# KiCad board panel.kicad_pcb (continued)
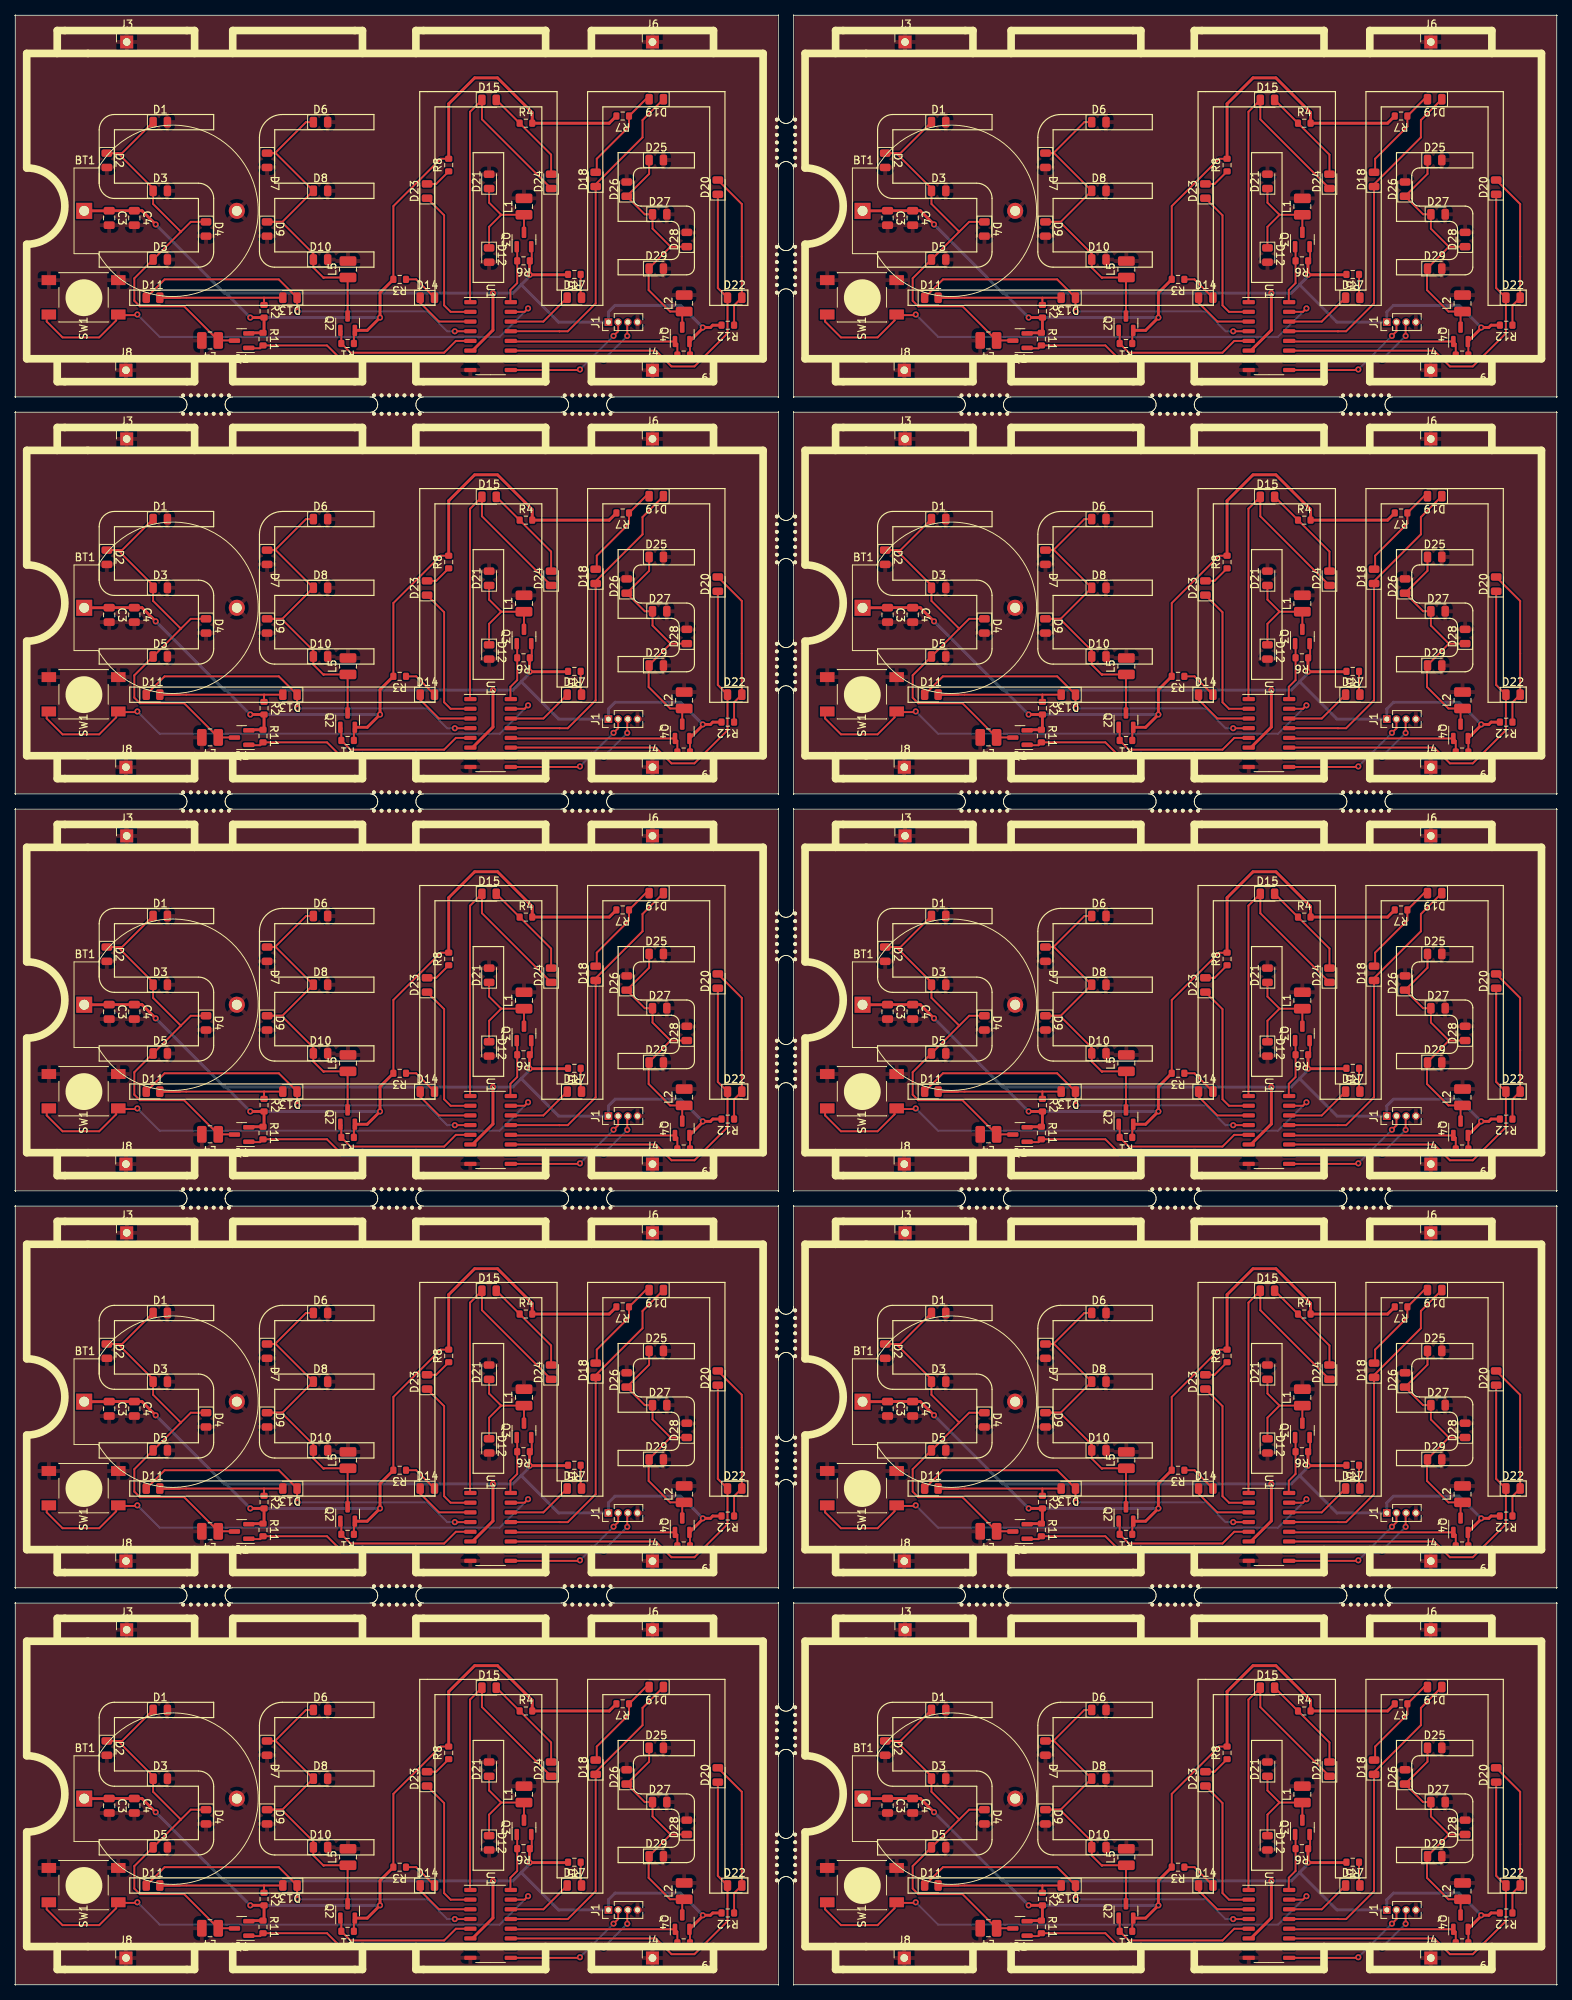
[diagram p0: board, top side]
## Routing (per net, layer and track width the routed paths; a pad name or vN(x,y) marks a point on that pad's centre or on a via; arc(x,y) is an arc through that point) (continued)
  Top w0.25: D10#2.1 141.06,226.76 136.89,230.94 D9#2.1 137,230.94 D8#2.1 136.12,239.94 D7#2.1 136.04,239.94 140.1,244 D6.1
  Top w0.254: D10#2.1 141.06,224.94 142.4,223.6 142.45,223.65 L5#2.1 145.55,223.6 Q2#2.3
Board_1-Net-(D11-A): length 19.7
  Top w0.25: D13#2.2 D11#2.2
  Top w0.254: R2#2.1 134.6,221 ; D11#2.2 123.58,221
Board_1-Net-(D12-K): length 14.4
  Top w0.25: 165.68,231.87 164.09,230.28 D12#2.1 ; 165.68,231.87 164.09,233.45 D21#2.1 ; 165.68,231.87 L1#2.1 Q3#2.3
Board_1-Net-(D14-A): length 4.9
  Top w0.254: R3#2.1 154.54,223.4 D14#2.2 157.04,220.89
Board_1-Net-(D15-A): length 12.7
  Top w0.254: D24#2.2 172.22,239.74 165.04,246.91 D15#2.2
  Top w0.381: 168.09,243.86 168.08,243.86
Board_1-Net-(D17-A): length 3.1
  Top w0.254: R5#2.1 176.09,221.11 D17#2.2
Board_1-Net-(D18-A): length 12.8
  Top w0.254: D19#2.2 184.62,247 R7#2.1 182.43,243.43 178.2,239.2 178.2,237.57 D18#2.2 ; 185.14,247.2 185.17,247.16
Board_1-Net-(D20-A): length 20.7
  Top w0.254: R12#2.1 196.2,219.99 D22#2.2 197.21,233.27 D20#2.2
Board_1-Net-(D23-A): length 3.5
  Top w0.254: D23#2.2 157.16,235.91 R8#2.1
Board_1-Net-(D25-K): length 32.5
  Top w0.25: 185,222 185,224.81 187.87,227.68 ; Q4#2.3 189.4,218.94 L2#2.1 ; 187.87,227.68 D28#2.1 ; 187.87,227.68 185.51,230.05 D27#5.1 184.49,231.92 D26.1
  Top w0.254: 185,222 187.81,219.19 L2#2.1 ; D25#2.1 185.06,237.22 D26.1
Board_1-VCC: length 210.6
  Top w0.25: R6#2.1 169.68,226.08 169.68,227.62 Q3#2.2 ; Q4#2.2 190.42,215.2 R9#2.1
  Top w0.254: R1#2.1 146.38,216.6 Q2#2.2 ; R8#2.2 157.75,239.2 151.55,233 R3#2.2
  Top w0.381: 117.41,232.38 117.61,232.18 ; v1(132.8,218.4) R2#2.2 134.6,216.54 R11#2.1 132.68,216.4 Q1#2.2 ; Q2#2.2 148.12,216.72 v1(149.8,218.4) 149.8,221.65 R3#2.2 ; R5#2.2 174.39,224 v1(169.4,224) 169.4,225.8 R6#2.1 ; v1(164.6,221.6) 164.6,216.75 161.91,214.07 U1#2.6 ; R8#2.2 158.8,246.4 162.2,249.8 165.2,249.8 169.74,245.26 R4#2.2 179.84,243.86 R7#2.2 ; R12#2.2 193.4,217.4 193.1,217.1 v1(192.1,217.1) 192.1,217.01 Q4#2.2 ; BT1#2.1 114.29,232.38 C3#2.1 C4#2.1 118.6,232.4 v1(120.4,230.6)
  Bottom w0.381: 168.3,222.7 169.4,223.8 v1(169.4,224) ; 168.3,222.7 173.2,217.8 J1#2.1 179.73,219.13 180.6,220 189.2,220 v1(192.1,217.1) ; 168.3,222.7 167.2,221.6 v1(164.6,221.6) 129.4,221.6 129.2,221.8 ; 129.2,221.8 129.4,221.8 v1(132.8,218.4) v1(149.8,218.4) ; 129.2,221.8 v1(120.4,230.6)
Board_2-/LED_EN_1: length 7.7
  Top w0.25: U1#3.16 64.89,168.47 64.89,170.02 65.78,170.91 R6#3.2 65.78,175.62 Q3#3.1
Board_2-/LED_EN_5: length 23.5
  Top w0.25: R9#3.2 86.77,162.95 Q4#3.1
  Top w0.254: Q4#3.1 65.01,163.26 U1#3.12
Board_2-/LED_EN_E: length 19.8
  Top w0.254: Q2#3.1 42.72,164.6 R1#3.2 43.93,161.8 56.2,161.8 57.74,163.34 U1#3.5
Board_2-/LED_EN_M1: length 47.3
  Top w0.254: v1(57.6,164.6) 59.63,164.6 U1#3.4 ; v1(37,167.2) 36.94,167.26 D13#3.1 34.54,171.4 19.57,171.4 D11#3.1
  Bottom w0.254: v1(37,167.2) 54,167.2 56.6,164.6 v1(57.6,164.6)
Board_2-/LED_EN_M2: length 8.3
  Top w0.254: D14#3.1 53.06,168.34 55.52,165.88 U1#3.3
Board_2-/LED_EN_M3: length 18.8
  Top w0.254: D23#3.1 56.2,179.8 56.2,168 57.05,167.15 U1#3.2
Board_2-/LED_EN_M4: length 42.5
  Top w0.254: D24#3.1 61.15,192.37 D15#3.1 59.6,193.36 59.6,168.45 U1#3.1
Board_2-/LED_EN_M5: length 8.7
  Top w0.254: D17#3.1 69.21,165.88 U1#3.14
Board_2-/LED_EN_M6: length 43.1
  Top w0.254: U1#3.13 71.32,164.61 71.33,164.6 72.4,164.6 76.06,168.26 D18#3.1 76.06,183.86 82.2,190 82.2,192.26 D19#3.1
Board_2-/LED_EN_M7: length 49.8
  Top w0.254: D20#3.1 92.06,170.27 D22#3.1 93.33,164.33 89,160 86,160 83.93,162.07 U1#3.11
Board_2-/LED_EN_S: length 30
  Top w0.254: 59.63,160.8 U1#3.7 42.8,160.8 40.85,162.75 R11#3.2 32.09,162.38 30.65,162.38 Q1#3.1
Board_2-/P3.0: length 17.4
  Top w0.254: U1#3.9 73.93,159.53 v1(74,159.6) ; v1(78.4,164) 79,164.6 J1#3.2
  Bottom w0.254: v1(74,159.6) v1(78.4,164)
Board_2-/P3.1: length 18.4
  Top w0.254: J1#3.3 80.2,165.73 v1(80.2,163.99) ; v1(77.11,160.89) 77.01,160.8 U1#3.10
  Bottom w0.254: v1(77.11,160.89) v1(80.2,163.99)
Board_2-/SW_IN: length 71.6
  Top w0.254: 4.12,166.72 4.12,165.88 6.2,163.8 11,163.8 13.22,166.02 13.22,166.72 15.92,166.72 v1(16,166.8) ; v1(67.2,167.6) 66.75,167.15 U1#3.15
  Bottom w0.254: v1(16,166.8) 18.93,163.87 63.47,163.87 v1(67.2,167.6)
Board_2-Net-(D1-K): length 52.2
  Top w0.25: 13.44,187.94 14,187.94 D1#3.1 ; 13.44,187.94 D2#3.1 ; 13.44,187.94 18.06,183.31 D3#10.1 18.06,181.28 21.7,177.64 ; D4#3.1 23,178.94 21.7,177.64 ; 21.7,177.64 D5#3.1
  Top w0.254: Q1#3.3 28.7,163.4 L4#3.1 22.13,167.87 16.33,167.87 15.6,168.6 15.6,171.54 D5#3.1
Board_2-Net-(D10-K): length 43.4
  Top w0.25: D10#3.1 39.06,174.76 34.89,178.94 D9#3.1 35,178.94 D8#3.1 34.12,187.94 D7#3.1 34.04,187.94 38.1,192 D6#2.1
  Top w0.254: D10#3.1 39.06,172.94 40.4,171.6 40.45,171.65 L5#3.1 43.55,171.6 Q2#3.3
Board_2-Net-(D11-A): length 19.7
  Top w0.25: D13#3.2 D11#3.2
  Top w0.254: R2#3.1 32.6,169 ; D11#3.2 21.58,169
Board_2-Net-(D12-K): length 14.4
  Top w0.25: 63.67,179.87 62.09,178.28 D12#3.1 ; 63.67,179.87 62.09,181.45 D21#3.1 ; 63.67,179.87 L1#3.1 Q3#3.3
Board_2-Net-(D14-A): length 4.9
  Top w0.254: R3#3.1 52.54,171.4 D14#3.2 55.04,168.89
Board_2-Net-(D15-A): length 12.7
  Top w0.254: D24#3.2 70.22,187.74 R4#3.1 63.05,194.91 D15#3.2
  Top w0.381: R4#3.1 66.08,191.86
Board_2-Net-(D17-A): length 3.1
  Top w0.254: R5#3.1 74.09,169.11 D17#3.2
Board_2-Net-(D18-A): length 12.8
  Top w0.254: D19#3.2 82.62,195 R7#3.1 80.42,191.43 76.2,187.2 76.2,185.57 D18#3.2 ; 83.14,195.2 83.17,195.16
Board_2-Net-(D20-A): length 20.7
  Top w0.254: R12#3.1 94.2,167.99 D22#3.2 95.21,181.27 D20#3.2
Board_2-Net-(D23-A): length 3.5
  Top w0.254: D23#3.2 55.16,183.91 R8#3.1
Board_2-Net-(D25-K): length 32.5
  Top w0.25: 83,170 83,172.81 85.87,175.68 ; Q4#3.3 87.4,166.94 L2#3.1 ; 85.87,175.68 D28#3.1 ; 85.87,175.68 83.51,178.05 D27#6.1 82.49,179.92 D26#3.1
  Top w0.254: 83,170 85.81,167.19 L2#3.1 ; D25#3.1 83.06,185.22 D26#3.1
Board_2-VCC: length 210.6
  Top w0.25: R6#3.1 67.68,174.08 67.68,175.62 Q3#3.2 ; Q4#3.2 88.42,163.2 R9#3.1
  Top w0.254: R1#3.1 44.38,164.6 Q2#3.2 ; R8#3.2 55.75,187.2 49.55,181 R3#3.2
  Top w0.381: 15.41,180.38 15.61,180.18 ; v1(30.8,166.4) R2#3.2 32.6,164.54 R11#3.1 30.67,164.4 Q1#3.2 ; Q2#3.2 46.12,164.72 v1(47.8,166.4) 47.8,169.65 R3#3.2 ; R5#3.2 72.39,172 v1(67.4,172) 67.4,173.8 R6#3.1 ; v1(62.6,169.6) 62.6,164.75 59.91,162.07 U1#3.6 ; R8#3.2 56.8,194.4 60.2,197.8 63.2,197.8 67.74,193.26 R4#3.2 77.84,191.86 78.78,192.8 ; R12#3.2 91.4,165.4 91.1,165.1 v1(90.1,165.1) 90.1,165.01 Q4#3.2 ; BT1#3.1 12.29,180.38 C3#3.1 C4#3.1 16.6,180.4 v1(18.4,178.6)
  Bottom w0.381: 66.3,170.7 67.4,171.8 v1(67.4,172) ; 66.3,170.7 71.2,165.8 J1#3.1 77.73,167.13 78.6,168 87.2,168 v1(90.1,165.1) ; 66.3,170.7 65.2,169.6 v1(62.6,169.6) 27.4,169.6 27.2,169.8 ; 27.2,169.8 27.4,169.8 v1(30.8,166.4) v1(47.8,166.4) ; 27.2,169.8 v1(18.4,178.6)
Board_3-/LED_EN_1: length 7.7
  Top w0.25: U1#4.16 166.89,168.47 166.89,170.02 167.78,170.91 R6#4.2 167.78,175.62 Q3#4.1
Board_3-/LED_EN_5: length 23.5
  Top w0.25: R9#4.2 188.77,162.95 Q4#4.1
  Top w0.254: Q4#4.1 167.01,163.26 U1#4.12
Board_3-/LED_EN_E: length 19.8
  Top w0.254: Q2#4.1 144.72,164.6 144.72,163 145.93,161.8 158.2,161.8 159.74,163.34 U1#4.5
Board_3-/LED_EN_M1: length 47.3
  Top w0.254: v1(159.6,164.6) 161.63,164.6 U1#4.4 ; v1(139,167.2) 138.94,167.26 D13#4.1 136.54,171.4 121.57,171.4 D11#4.1
  Bottom w0.254: v1(139,167.2) 156,167.2 158.6,164.6 v1(159.6,164.6)
Board_3-/LED_EN_M2: length 8.3
  Top w0.254: D14#4.1 155.06,168.34 157.52,165.88 U1#4.3
Board_3-/LED_EN_M3: length 18.8
  Top w0.254: D23#4.1 158.2,179.8 158.2,168 159.05,167.15 U1#4.2
Board_3-/LED_EN_M4: length 42.5
  Top w0.254: D24#4.1 163.15,192.37 D15#4.1 161.6,193.36 161.6,168.45 U1#4.1
Board_3-/LED_EN_M5: length 8.7
  Top w0.254: D17#4.1 171.21,165.88 U1#4.14
Board_3-/LED_EN_M6: length 43.1
  Top w0.254: U1#4.13 173.32,164.61 173.33,164.6 174.4,164.6 178.06,168.26 D18#5.1 178.06,183.86 184.2,190 184.2,192.26 D19#4.1
Board_3-/LED_EN_M7: length 49.8
  Top w0.254: D20#4.1 194.06,170.27 D22#4.1 195.33,164.33 191,160 188,160 185.93,162.07 U1#4.11
Board_3-/LED_EN_S: length 30
  Top w0.254: 161.63,160.8 U1#4.7 144.8,160.8 142.85,162.75 R11#4.2 134.09,162.38 132.65,162.38 Q1#4.1
Board_3-/P3.0: length 17.4
  Top w0.254: U1#4.9 175.93,159.53 v1(176,159.6) ; v1(180.4,164) 181,164.6 J1#4.2
  Bottom w0.254: v1(176,159.6) v1(180.4,164)
Board_3-/P3.1: length 18.4
  Top w0.254: J1#4.3 182.2,165.73 v1(182.2,163.99) ; v1(179.11,160.89) 179.01,160.8 U1#4.10
  Bottom w0.254: v1(179.11,160.89) v1(182.2,163.99)
Board_3-/SW_IN: length 71.6
  Top w0.254: 106.12,166.72 106.12,165.88 108.2,163.8 113,163.8 115.22,166.02 115.22,166.72 117.92,166.72 v1(118,166.8) ; v1(169.2,167.6) 168.75,167.15 U1#4.15
  Bottom w0.254: v1(118,166.8) 120.93,163.87 165.47,163.87 v1(169.2,167.6)
Board_3-Net-(D1-K): length 52.2
  Top w0.25: 115.44,187.94 116,187.94 D1#4.1 ; 115.44,187.94 D2#4.1 ; 115.44,187.94 120.06,183.31 D3.1 120.06,181.28 123.7,177.64 ; D4#4.1 125,178.94 123.7,177.64 ; 123.7,177.64 D5#4.1
  Top w0.254: Q1#4.3 130.7,163.4 L4#4.1 124.13,167.87 118.33,167.87 117.6,168.6 117.6,171.54 D5#4.1
Board_3-Net-(D10-K): length 43.4
  Top w0.25: D10#4.1 141.06,174.76 136.89,178.94 D9#4.1 137,178.94 D8#4.1 136.12,187.94 D7#4.1 136.04,187.94 140.1,192 D6#3.1
  Top w0.254: D10#4.1 141.06,172.94 142.4,171.6 142.45,171.65 L5#4.1 145.55,171.6 Q2#4.3
Board_3-Net-(D11-A): length 19.7
  Top w0.25: D13#4.2 D11#4.2
  Top w0.254: R2#4.1 134.6,169 ; D11#4.2 123.58,169
Board_3-Net-(D12-K): length 14.4
  Top w0.25: 165.68,179.87 164.09,178.28 D12#4.1 ; 165.68,179.87 164.09,181.45 D21#4.1 ; 165.68,179.87 L1#4.1 Q3#4.3
Board_3-Net-(D14-A): length 4.9
  Top w0.254: R3#4.1 154.54,171.4 D14#4.2 157.04,168.89
Board_3-Net-(D15-A): length 12.7
  Top w0.254: D24#4.2 172.22,187.74 165.04,194.91 D15#4.2
  Top w0.381: 168.09,191.86 168.08,191.86
Board_3-Net-(D17-A): length 3.1
  Top w0.254: R5#4.1 176.09,169.11 D17#4.2
Board_3-Net-(D18-A): length 12.8
  Top w0.254: D19#4.2 184.62,195 R7#4.1 182.43,191.43 178.2,187.2 178.2,185.57 D18#5.2 ; 185.14,195.2 185.17,195.16
Board_3-Net-(D20-A): length 20.7
  Top w0.254: R12#4.1 196.2,167.99 D22#4.2 197.21,181.27 D20#4.2
Board_3-Net-(D23-A): length 3.5
  Top w0.254: D23#4.2 157.16,183.91 R8#4.1
Board_3-Net-(D25-K): length 32.5
  Top w0.25: 185,170 185,172.81 187.87,175.68 ; Q4#4.3 189.4,166.94 L2#4.1 ; 187.87,175.68 D28#4.1 ; 187.87,175.68 185.51,178.05 D27#7.1 184.49,179.92 D26#4.1
  Top w0.254: 185,170 187.81,167.19 L2#4.1 ; D25#4.1 185.06,185.22 D26#4.1
Board_3-VCC: length 210.6
  Top w0.25: R6#4.1 169.68,174.08 169.68,175.62 Q3#4.2 ; Q4#4.2 190.42,163.2 R9#4.1
  Top w0.254: R1#4.1 146.38,164.6 Q2#4.2 ; R8#4.2 157.75,187.2 151.55,181 R3#4.2
  Top w0.381: 117.41,180.38 117.61,180.18 ; v1(132.8,166.4) R2#4.2 134.6,164.54 R11#4.1 132.68,164.4 Q1#4.2 ; Q2#4.2 148.12,164.72 v1(149.8,166.4) 149.8,169.65 R3#4.2 ; R5#4.2 174.39,172 v1(169.4,172) 169.4,173.8 R6#4.1 ; v1(164.6,169.6) 164.6,164.75 161.91,162.07 U1#4.6 ; R8#4.2 158.8,194.4 162.2,197.8 165.2,197.8 169.74,193.26 R4#4.2 179.84,191.86 R7#4.2 ; R12#4.2 193.4,165.4 193.1,165.1 v1(192.1,165.1) 192.1,165.01 Q4#4.2 ; BT1#4.1 114.29,180.38 C3#4.1 C4#4.1 118.6,180.4 v1(120.4,178.6)
  Bottom w0.381: 168.3,170.7 169.4,171.8 v1(169.4,172) ; 168.3,170.7 173.2,165.8 J1#4.1 179.73,167.13 180.6,168 189.2,168 v1(192.1,165.1) ; 168.3,170.7 167.2,169.6 v1(164.6,169.6) 129.4,169.6 129.2,169.8 ; 129.2,169.8 129.4,169.8 v1(132.8,166.4) v1(149.8,166.4) ; 129.2,169.8 v1(120.4,178.6)
Board_4-/LED_EN_1: length 7.7
  Top w0.25: U1#5.16 64.89,116.47 64.89,118.02 65.78,118.91 R6#5.2 65.78,123.62 Q3#5.1
Board_4-/LED_EN_5: length 23.5
  Top w0.25: R9#5.2 86.77,110.95 Q4#5.1
  Top w0.254: Q4#5.1 65.01,111.26 U1#5.12
Board_4-/LED_EN_E: length 19.8
  Top w0.254: Q2#5.1 42.72,112.6 R1#5.2 43.93,109.8 56.2,109.8 57.74,111.34 U1#5.5
Board_4-/LED_EN_M1: length 47.3
  Top w0.254: v1(57.6,112.6) 59.63,112.6 U1#5.4 ; v1(37,115.2) 36.94,115.26 D13#5.1 34.54,119.4 19.57,119.4 D11#5.1
  Bottom w0.254: v1(37,115.2) 54,115.2 56.6,112.6 v1(57.6,112.6)
Board_4-/LED_EN_M2: length 8.3
  Top w0.254: D14#5.1 53.06,116.34 55.52,113.88 U1#5.3
Board_4-/LED_EN_M3: length 18.8
  Top w0.254: D23#5.1 56.2,127.8 56.2,116 57.05,115.15 U1#5.2
Board_4-/LED_EN_M4: length 42.5
  Top w0.254: D24#5.1 61.15,140.37 D15#5.1 59.6,141.36 59.6,116.45 U1#5.1
Board_4-/LED_EN_M5: length 8.7
  Top w0.254: D17#5.1 69.21,113.88 U1#5.14
Board_4-/LED_EN_M6: length 43.1
  Top w0.254: U1#5.13 71.32,112.61 71.33,112.6 72.4,112.6 76.06,116.26 D18#6.1 76.06,131.86 82.2,138 82.2,140.26 D19#5.1
Board_4-/LED_EN_M7: length 49.8
  Top w0.254: D20#5.1 92.06,118.27 D22#5.1 93.33,112.33 89,108 86,108 83.93,110.07 U1#5.11
Board_4-/LED_EN_S: length 30
  Top w0.254: 59.63,108.8 U1#5.7 42.8,108.8 40.85,110.75 R11#5.2 32.09,110.38 30.65,110.38 Q1#5.1
Board_4-/P3.0: length 17.4
  Top w0.254: U1#5.9 73.93,107.53 v1(74,107.6) ; v1(78.4,112) 79,112.6 J1#5.2
  Bottom w0.254: v1(74,107.6) v1(78.4,112)
Board_4-/P3.1: length 18.4
  Top w0.254: J1#5.3 80.2,113.73 v1(80.2,111.99) ; v1(77.11,108.89) 77.01,108.8 U1#5.10
  Bottom w0.254: v1(77.11,108.89) v1(80.2,111.99)
Board_4-/SW_IN: length 71.6
  Top w0.254: 4.12,114.72 4.12,113.88 6.2,111.8 11,111.8 13.22,114.02 13.22,114.72 15.92,114.72 v1(16,114.8) ; v1(67.2,115.6) 66.75,115.15 U1#5.15
  Bottom w0.254: v1(16,114.8) 18.93,111.87 63.47,111.87 v1(67.2,115.6)
Board_4-Net-(D1-K): length 52.2
  Top w0.25: 13.44,135.94 14,135.94 D1#5.1 ; 13.44,135.94 D2#5.1 ; 13.44,135.94 18.06,131.31 D3#2.1 18.06,129.28 21.7,125.64 ; D4#5.1 23,126.94 21.7,125.64 ; 21.7,125.64 D5#5.1
  Top w0.254: Q1#5.3 28.7,111.4 L4#5.1 22.13,115.87 16.33,115.87 15.6,116.6 15.6,119.54 D5#5.1
Board_4-Net-(D10-K): length 43.4
  Top w0.25: D10#5.1 39.06,122.76 34.89,126.94 D9#5.1 35,126.94 D8#5.1 34.12,135.94 D7#5.1 34.04,135.94 38.1,140 D6#4.1
  Top w0.254: D10#5.1 39.06,120.94 40.4,119.6 40.45,119.65 L5#5.1 43.55,119.6 Q2#5.3
Board_4-Net-(D11-A): length 19.7
  Top w0.25: D13#5.2 D11#5.2
  Top w0.254: R2#5.1 32.6,117 ; D11#5.2 21.58,117
Board_4-Net-(D12-K): length 14.4
  Top w0.25: 63.67,127.87 62.09,126.28 D12#5.1 ; 63.67,127.87 62.09,129.45 D21#5.1 ; 63.67,127.87 L1#5.1 Q3#5.3
Board_4-Net-(D14-A): length 4.9
  Top w0.254: R3#5.1 52.54,119.4 D14#5.2 55.04,116.89
Board_4-Net-(D15-A): length 12.7
  Top w0.254: D24#5.2 70.22,135.74 R4#5.1 63.05,142.91 D15#5.2
  Top w0.381: R4#5.1 66.08,139.86
Board_4-Net-(D17-A): length 3.1
  Top w0.254: R5#5.1 74.09,117.11 D17#5.2
Board_4-Net-(D18-A): length 12.8
  Top w0.254: D19#5.2 82.62,143 R7#5.1 80.42,139.43 76.2,135.2 76.2,133.57 D18#6.2 ; 83.14,143.2 83.17,143.16
Board_4-Net-(D20-A): length 20.7
  Top w0.254: R12#5.1 94.2,115.99 D22#5.2 95.21,129.27 D20#5.2
Board_4-Net-(D23-A): length 3.5
  Top w0.254: D23#5.2 55.16,131.91 R8#5.1
Board_4-Net-(D25-K): length 32.5
  Top w0.25: 83,118 83,120.81 85.87,123.68 ; Q4#5.3 87.4,114.94 87.65,115.19 ; 85.87,123.68 D28#5.1 ; 85.87,123.68 83.51,126.05 D27#8.1 82.49,127.92 D26#5.1
  Top w0.254: 83,118 85.81,115.19 87.65,115.19 ; D25#5.1 83.06,133.22 D26#5.1
Board_4-VCC: length 210.6
  Top w0.25: R6#5.1 67.68,122.08 67.68,123.62 Q3#5.2 ; Q4#5.2 88.42,111.2 R9#5.1
  Top w0.254: R1#5.1 44.38,112.6 Q2#5.2 ; R8#5.2 55.75,135.2 49.55,129 R3#5.2
  Top w0.381: 15.41,128.38 15.61,128.18 ; v1(30.8,114.4) R2#5.2 32.6,112.54 R11#5.1 30.67,112.4 Q1#5.2 ; Q2#5.2 46.12,112.72 v1(47.8,114.4) 47.8,117.65 R3#5.2 ; R5#5.2 72.39,120 v1(67.4,120) 67.4,121.8 R6#5.1 ; v1(62.6,117.6) 62.6,112.75 59.91,110.07 U1#5.6 ; R8#5.2 56.8,142.4 60.2,145.8 63.2,145.8 67.74,141.26 R4#5.2 77.84,139.86 78.78,140.8 ; R12#5.2 91.4,113.4 91.1,113.1 v1(90.1,113.1) 90.1,113.01 Q4#5.2 ; BT1#5.1 12.29,128.38 C3#5.1 C4#5.1 16.6,128.4 v1(18.4,126.6)
  Bottom w0.381: 66.3,118.7 67.4,119.8 v1(67.4,120) ; 66.3,118.7 71.2,113.8 J1#5.1 77.73,115.13 78.6,116 87.2,116 v1(90.1,113.1) ; 66.3,118.7 65.2,117.6 v1(62.6,117.6) 27.4,117.6 27.2,117.8 ; 27.2,117.8 27.4,117.8 v1(30.8,114.4) v1(47.8,114.4) ; 27.2,117.8 v1(18.4,126.6)
Board_5-/LED_EN_1: length 7.7
  Top w0.25: U1#6.16 166.89,116.47 166.89,118.02 167.78,118.91 R6#6.2 167.78,123.62 Q3#6.1
Board_5-/LED_EN_5: length 23.5
  Top w0.25: R9#6.2 188.77,110.95 Q4#6.1
  Top w0.254: Q4#6.1 167.01,111.26 U1#6.12
Board_5-/LED_EN_E: length 19.8
  Top w0.254: Q2#6.1 144.72,112.6 144.72,111 145.93,109.8 158.2,109.8 159.74,111.34 U1#6.5
Board_5-/LED_EN_M1: length 47.3
  Top w0.254: v1(159.6,112.6) 161.63,112.6 U1#6.4 ; v1(139,115.2) 138.94,115.26 D13#6.1 136.54,119.4 121.57,119.4 D11#6.1
  Bottom w0.254: v1(139,115.2) 156,115.2 158.6,112.6 v1(159.6,112.6)
Board_5-/LED_EN_M2: length 8.3
  Top w0.254: D14#6.1 155.06,116.34 157.52,113.88 U1#6.3
Board_5-/LED_EN_M3: length 18.8
  Top w0.254: D23#6.1 158.2,127.8 158.2,116 159.05,115.15 U1#6.2
Board_5-/LED_EN_M4: length 42.5
  Top w0.254: D24#6.1 163.15,140.37 D15#6.1 161.6,141.36 161.6,116.45 U1#6.1
Board_5-/LED_EN_M5: length 8.7
  Top w0.254: D17#6.1 171.21,113.88 U1#6.14
Board_5-/LED_EN_M6: length 43.1
  Top w0.254: U1#6.13 173.32,112.61 173.33,112.6 174.4,112.6 178.06,116.26 D18#7.1 178.06,131.86 184.2,138 184.2,140.26 D19#6.1
Board_5-/LED_EN_M7: length 49.8
  Top w0.254: D20#6.1 194.06,118.27 D22#6.1 195.33,112.33 191,108 188,108 185.93,110.07 U1#6.11
Board_5-/LED_EN_S: length 30
  Top w0.254: 161.63,108.8 U1#6.7 144.8,108.8 142.85,110.75 R11#6.2 134.09,110.38 132.65,110.38 Q1#6.1
Board_5-/P3.0: length 17.4
  Top w0.254: U1#6.9 175.93,107.53 v1(176,107.6) ; v1(180.4,112) 181,112.6 J1#6.2
  Bottom w0.254: v1(176,107.6) v1(180.4,112)
Board_5-/P3.1: length 18.4
  Top w0.254: J1#6.3 182.2,113.73 v1(182.2,111.99) ; v1(179.11,108.89) 179.01,108.8 U1#6.10
  Bottom w0.254: v1(179.11,108.89) v1(182.2,111.99)
Board_5-/SW_IN: length 71.6
  Top w0.254: 106.12,114.72 106.12,113.88 108.2,111.8 113,111.8 115.22,114.02 115.22,114.72 117.92,114.72 v1(118,114.8) ; v1(169.2,115.6) 168.75,115.15 U1#6.15
  Bottom w0.254: v1(118,114.8) 120.93,111.87 165.47,111.87 v1(169.2,115.6)
Board_5-Net-(D1-K): length 52.2
  Top w0.25: 115.44,135.94 116,135.94 D1#6.1 ; 115.44,135.94 D2#6.1 ; 115.44,135.94 120.06,131.31 D3#3.1 120.06,129.28 123.7,125.64 ; D4#6.1 125,126.94 123.7,125.64 ; 123.7,125.64 D5#6.1
  Top w0.254: Q1#6.3 130.7,111.4 L4#6.1 124.13,115.87 118.33,115.87 117.6,116.6 117.6,119.54 D5#6.1
Board_5-Net-(D10-K): length 43.4
  Top w0.25: D10#6.1 141.06,122.76 136.89,126.94 D9#6.1 137,126.94 D8#6.1 136.12,135.94 D7#6.1 136.04,135.94 140.1,140 D6#5.1
  Top w0.254: D10#6.1 141.06,120.94 142.4,119.6 142.45,119.65 L5#6.1 145.55,119.6 Q2#6.3
Board_5-Net-(D11-A): length 19.7
  Top w0.25: D13#6.2 D11#6.2
  Top w0.254: R2#6.1 134.6,117 ; D11#6.2 123.58,117
Board_5-Net-(D12-K): length 14.4
  Top w0.25: 165.68,127.87 164.09,126.28 D12#6.1 ; 165.68,127.87 164.09,129.45 D21#6.1 ; 165.68,127.87 L1#6.1 Q3#6.3
Board_5-Net-(D14-A): length 4.9
  Top w0.254: R3#6.1 154.54,119.4 D14#6.2 157.04,116.89
Board_5-Net-(D15-A): length 12.7
  Top w0.254: D24#6.2 172.22,135.74 165.04,142.91 D15#6.2
  Top w0.381: 168.09,139.86 168.08,139.86
Board_5-Net-(D17-A): length 3.1
  Top w0.254: R5#6.1 176.09,117.11 D17#6.2
Board_5-Net-(D18-A): length 12.8
  Top w0.254: D19#6.2 184.62,143 R7#6.1 182.43,139.43 178.2,135.2 178.2,133.57 D18#7.2 ; 185.14,143.2 185.17,143.16
Board_5-Net-(D20-A): length 20.7
  Top w0.254: R12#6.1 196.2,115.99 D22#6.2 197.21,129.27 D20#6.2
Board_5-Net-(D23-A): length 3.5
  Top w0.254: D23#6.2 157.16,131.91 R8#6.1
Board_5-Net-(D25-K): length 32.5
  Top w0.25: 185,118 185,120.81 187.87,123.68 ; Q4#6.3 189.4,114.94 189.65,115.19 ; 187.87,123.68 D28#6.1 ; 187.87,123.68 185.51,126.05 D27#9.1 184.49,127.92 D26#6.1
  Top w0.254: 185,118 187.81,115.19 189.65,115.19 ; D25#6.1 185.06,133.22 D26#6.1
Board_5-VCC: length 210.6
  Top w0.25: R6#6.1 169.68,122.08 169.68,123.62 Q3#6.2 ; Q4#6.2 190.42,111.2 R9#6.1
  Top w0.254: R1#6.1 146.38,112.6 Q2#6.2 ; R8#6.2 157.75,135.2 151.55,129 R3#6.2
  Top w0.381: 117.41,128.38 117.61,128.18 ; v1(132.8,114.4) R2#6.2 134.6,112.54 R11#6.1 132.68,112.4 Q1#6.2 ; Q2#6.2 148.12,112.72 v1(149.8,114.4) 149.8,117.65 R3#6.2 ; R5#6.2 174.39,120 v1(169.4,120) 169.4,121.8 R6#6.1 ; v1(164.6,117.6) 164.6,112.75 161.91,110.07 U1#6.6 ; R8#6.2 158.8,142.4 162.2,145.8 165.2,145.8 169.74,141.26 R4#6.2 179.84,139.86 R7#6.2 ; R12#6.2 193.4,113.4 193.1,113.1 v1(192.1,113.1) 192.1,113.01 Q4#6.2 ; BT1#6.1 114.29,128.38 C3#6.1 C4#6.1 118.6,128.4 v1(120.4,126.6)
  Bottom w0.381: 168.3,118.7 169.4,119.8 v1(169.4,120) ; 168.3,118.7 173.2,113.8 J1#6.1 179.73,115.13 180.6,116 189.2,116 v1(192.1,113.1) ; 168.3,118.7 167.2,117.6 v1(164.6,117.6) 129.4,117.6 129.2,117.8 ; 129.2,117.8 129.4,117.8 v1(132.8,114.4) v1(149.8,114.4) ; 129.2,117.8 v1(120.4,126.6)
Board_6-/LED_EN_1: length 7.7
  Top w0.25: U1#7.16 64.89,64.47 64.89,66.02 65.78,66.91 R6#7.2 65.78,71.62 Q3#7.1
Board_6-/LED_EN_5: length 23.5
  Top w0.25: R9#7.2 86.77,58.95 Q4#7.1
  Top w0.254: Q4#7.1 65.01,59.26 U1#7.12
Board_6-/LED_EN_E: length 19.8
  Top w0.254: Q2#7.1 42.72,60.6 R1#7.2 43.93,57.8 56.2,57.8 57.74,59.34 U1#7.5
Board_6-/LED_EN_M1: length 47.3
  Top w0.254: v1(57.6,60.6) 59.63,60.6 U1#7.4 ; v1(37,63.2) 36.94,63.26 D13#7.1 34.54,67.4 19.57,67.4 D11#7.1
  Bottom w0.254: v1(37,63.2) 54,63.2 56.6,60.6 v1(57.6,60.6)
Board_6-/LED_EN_M2: length 8.3
  Top w0.254: D14#7.1 53.06,64.34 55.52,61.88 U1#7.3
Board_6-/LED_EN_M3: length 18.8
  Top w0.254: D23#7.1 56.2,75.8 56.2,64 57.05,63.15 U1#7.2
Board_6-/LED_EN_M4: length 42.5
  Top w0.254: D24#7.1 61.15,88.37 D15#7.1 59.6,89.36 59.6,64.45 U1#7.1
Board_6-/LED_EN_M5: length 8.7
  Top w0.254: D17#7.1 69.21,61.88 U1#7.14
Board_6-/LED_EN_M6: length 43.1
  Top w0.254: U1#7.13 71.32,60.61 71.33,60.6 72.4,60.6 76.06,64.26 D18#4.1 76.06,79.86 82.2,86 82.2,88.26 D19#7.1
Board_6-/LED_EN_M7: length 49.8
  Top w0.254: D20#7.1 92.06,66.27 D22#7.1 93.33,60.33 89,56 86,56 83.93,58.07 U1#7.11
Board_6-/LED_EN_S: length 30
  Top w0.254: 59.63,56.8 U1#7.7 42.8,56.8 40.85,58.75 R11#7.2 32.09,58.38 30.65,58.38 Q1#7.1
Board_6-/P3.0: length 17.4
  Top w0.254: U1#7.9 73.93,55.53 v1(74,55.6) ; v1(78.4,60) 79,60.6 J1#7.2
  Bottom w0.254: v1(74,55.6) v1(78.4,60)
Board_6-/P3.1: length 18.4
  Top w0.254: J1#7.3 80.2,61.73 v1(80.2,59.99) ; v1(77.11,56.89) 77.01,56.8 U1#7.10
  Bottom w0.254: v1(77.11,56.89) v1(80.2,59.99)
Board_6-/SW_IN: length 71.6
  Top w0.254: 4.12,62.72 4.12,61.88 6.2,59.8 11,59.8 13.22,62.02 13.22,62.72 15.92,62.72 v1(16,62.8) ; v1(67.2,63.6) 66.75,63.15 U1#7.15
  Bottom w0.254: v1(16,62.8) 18.93,59.87 63.47,59.87 v1(67.2,63.6)
Board_6-Net-(D1-K): length 52.2
  Top w0.25: 13.44,83.94 14,83.94 D1#7.1 ; 13.44,83.94 D2#7.1 ; 13.44,83.94 18.06,79.31 D3#4.1 18.06,77.28 21.7,73.64 ; D4#7.1 23,74.94 21.7,73.64 ; 21.7,73.64 D5#7.1
  Top w0.254: Q1#7.3 28.7,59.4 L4#7.1 22.13,63.87 16.33,63.87 15.6,64.6 15.6,67.54 D5#7.1
Board_6-Net-(D10-K): length 43.4
  Top w0.25: D10#7.1 39.06,70.76 34.89,74.94 D9#7.1 35,74.94 D8#7.1 34.12,83.94 D7#7.1 34.04,83.94 38.1,88 D6#6.1
  Top w0.254: D10#7.1 39.06,68.94 40.4,67.6 40.45,67.65 L5#7.1 43.55,67.6 Q2#7.3
Board_6-Net-(D11-A): length 19.7
  Top w0.25: D13#7.2 D11#7.2
  Top w0.254: R2#7.1 32.6,65 ; D11#7.2 21.58,65
Board_6-Net-(D12-K): length 14.4
  Top w0.25: 63.67,75.87 62.09,74.28 D12#7.1 ; 63.67,75.87 62.09,77.45 D21#7.1 ; 63.67,75.87 L1#7.1 Q3#7.3
Board_6-Net-(D14-A): length 4.9
  Top w0.254: R3#7.1 52.54,67.4 D14#7.2 55.04,64.89
Board_6-Net-(D15-A): length 12.7
  Top w0.254: D24#7.2 70.22,83.74 R4#7.1 63.05,90.91 D15#7.2
  Top w0.381: R4#7.1 66.08,87.86
Board_6-Net-(D17-A): length 3.1
  Top w0.254: R5#7.1 74.09,65.11 D17#7.2
Board_6-Net-(D18-A): length 12.8
  Top w0.254: D19#7.2 82.62,91 R7#7.1 80.42,87.43 76.2,83.2 76.2,81.57 D18#4.2 ; 83.14,91.2 83.17,91.16
Board_6-Net-(D20-A): length 20.7
  Top w0.254: R12#7.1 94.2,63.99 D22#7.2 95.21,77.27 D20#7.2
Board_6-Net-(D23-A): length 3.5
  Top w0.254: D23#7.2 55.16,79.91 R8#7.1
Board_6-Net-(D25-K): length 32.5
  Top w0.25: 83,66 83,68.81 85.87,71.68 ; Q4#7.3 87.4,62.94 87.65,63.19 ; 85.87,71.68 D28#7.1 ; 85.87,71.68 83.51,74.05 D27#10.1 82.49,75.92 D26#7.1
  Top w0.254: 83,66 85.81,63.19 87.65,63.19 ; D25#7.1 83.06,81.22 D26#7.1
Board_6-VCC: length 210.6
  Top w0.25: R6#7.1 67.68,70.08 67.68,71.62 Q3#7.2 ; Q4#7.2 88.42,59.2 R9#7.1
  Top w0.254: R1#7.1 44.38,60.6 Q2#7.2 ; R8#7.2 55.75,83.2 49.55,77 R3#7.2
  Top w0.381: 15.41,76.38 15.61,76.18 ; v1(30.8,62.4) R2#7.2 32.6,60.54 R11#7.1 30.67,60.4 Q1#7.2 ; Q2#7.2 46.12,60.72 v1(47.8,62.4) 47.8,65.65 R3#7.2 ; R5#7.2 72.39,68 v1(67.4,68) 67.4,69.8 R6#7.1 ; v1(62.6,65.6) 62.6,60.75 59.91,58.07 U1#7.6 ; R8#7.2 56.8,90.4 60.2,93.8 63.2,93.8 67.74,89.26 R4#7.2 77.84,87.86 78.78,88.8 ; R12#7.2 91.4,61.4 91.1,61.1 v1(90.1,61.1) 90.1,61.01 Q4#7.2 ; BT1#7.1 12.29,76.38 C3#7.1 C4#7.1 16.6,76.4 v1(18.4,74.6)
  Bottom w0.381: 66.3,66.7 67.4,67.8 v1(67.4,68) ; 66.3,66.7 71.2,61.8 J1#7.1 77.73,63.13 78.6,64 87.2,64 v1(90.1,61.1) ; 66.3,66.7 65.2,65.6 v1(62.6,65.6) 27.4,65.6 27.2,65.8 ; 27.2,65.8 27.4,65.8 v1(30.8,62.4) v1(47.8,62.4) ; 27.2,65.8 v1(18.4,74.6)
Board_7-/LED_EN_1: length 7.7
  Top w0.25: U1#8.16 166.89,64.47 166.89,66.02 167.78,66.91 R6#8.2 167.78,71.62 Q3#8.1
